# Altium PCB Computer_Board_Mockup.PcbDoc (part 2 of 5) (continued)
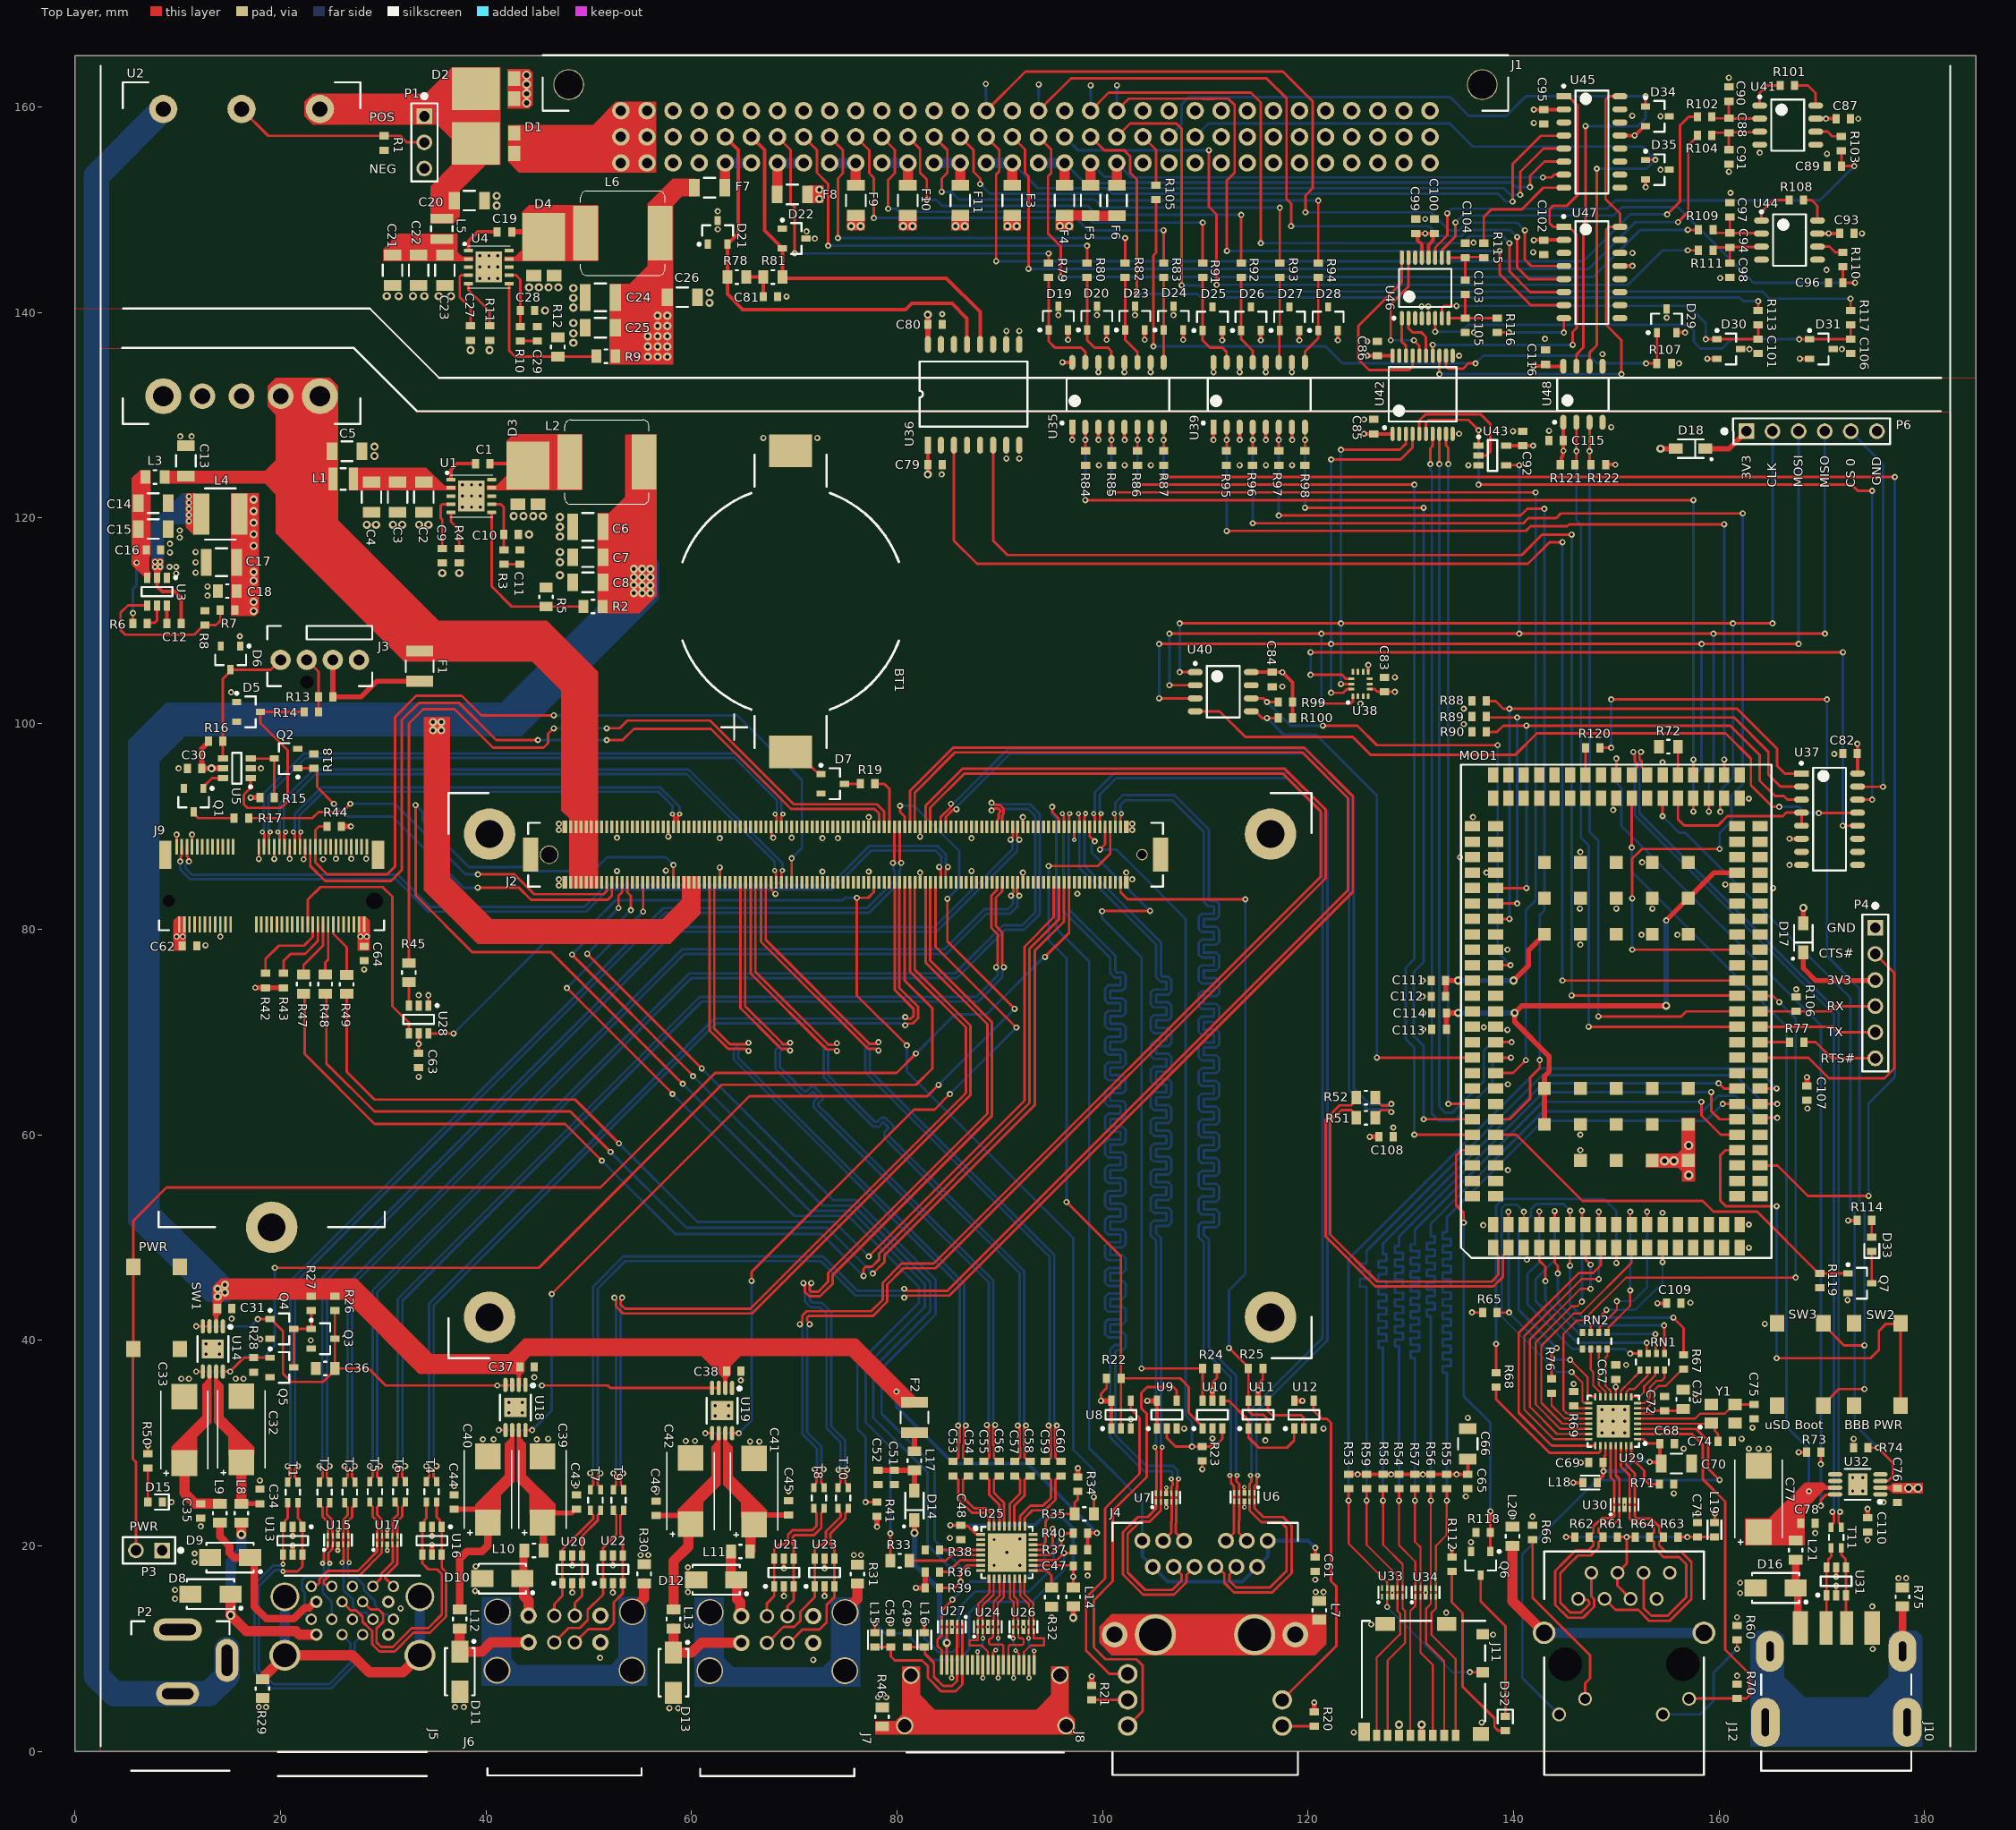
[diagram p0: Top Layer view]
## Part data (continued)
R61 R62 R63 R64: library part RES-00705, "RES SMD 49.9 OHM 1% 1/10W 0603", Manufacturer=Yageo, Manufacturer PN=RC0603FR-0749R9L, Power Rating=1/10W, Resistance=49.9, Tolerance=1%, Cost=0.1, Part Number=RES-00705
R65 R102 R103 R104 R109 R110 R111 R113 R115 R116 R117: library part RES-00284, "RES SMD 1.5K OHM 1% 1/4W 0603", Manufacturer=Panasonic, Manufacturer PN=ERJ-PA3F1501V, Power Rating=0.25W, Resistance=1.5k, Tolerance=1%, Part Number=RES-00284
R78 R81: library part RES-00161, "RES SMD 60.4 OHM 1% 1/8W 0805", Manufacturer="Rohm Semiconductor", Manufacturer PN=KTR10EZPF60R4, Power Rating=0.125W, Resistance=60.4, Tolerance=1%, Part Number=RES-00161
R79 R80 R82 R83 R91 R92 R93 R94 R101 R108 R112 R114: library part RES-00236, "RES SMD 470 OHM 1% 1/4W 0603", Manufacturer=Panasonic, Manufacturer PN=ERJ-PA3F4700V, Power Rating=0.25W, Resistance=470, Tolerance=1%, Part Number=RES-00236
RN1 RN2: library part RES-00722, "RES ARRAY 4 RES 100 OHM 5% 62.5mW 1206", Manufacturer=Panasonic, Manufacturer PN=EXB-38V101JV, Power Rating=1/16W, Resistance=100, Tolerance=5%, Cost=0.1, Part Number=RES-00722
SW1 SW2 SW3: library part MISC-00042, "Switch, SPST-NO, Tactile, 6.3x6.0mm, SMD, 50mA 24VDC", Manufacturer=Omron, Manufacturer PN=B3FS-1012P, Cost=0.71, Part Number=MISC-00042
T1 T2 T3 T4 T5 T6 T7 T8 T9 T10 T11: library part MAG-00121, "CMC, 330mA 2-CH 90 OHM @ 100MHz SMD", Manufacturer=Murata, Test Freq=100MHz, Cost=0.53, DCR=350mOhm, Impedance=90, Manufacturer PN=DLW21HN900SQ2L, Part Number=MAG-00121
U1 U4: library part PWREG-00033, "REG, SW Buck Adj, 5A, 4.5-60V, 2.5MHz, TPS54561", Frequency=100kHz-2.5MHz, Manufacturer=TI, Manufacturer PN=TPS54561DPRR, Max Current=5A, Voltage Range In=4.5-60V, Voltage Range Out=0.8-58.8V, Cost=5.52, Fixed/Adj=Adj, Part Number=PWREG-00033, Reg Type="SW Buck"
U2: library part PWREG-00058, "Module, Isolated, 1/16 Brick, 12V 4.5A (54W) Negative Logic", Manufacturer=Murata, Max Current=4.5A, Voltage Range In="18 ~ 75V", Voltage Range Out=12V, Cost=32, Fixed/Adj=Fixed, Manufacturer PN=UWS-12/4.5-Q48N-C, Part Number=PWREG-00058, Reg Type="Isolated Module"
U3: library part PWREG-00040, "REG, Synchronous Buck, 2A, 4.5-17V Input, SOT-23-6, TPS562201", Frequency=580kHz, Manufacturer=TI, Manufacturer PN=TPS562201DDCR, Max Current=2A, Voltage Range In="4.5 - 17V", Voltage Range Out="0.76 - 7V", Cost=0.68, Fixed/Adj=Adj, Part Number=PWREG-00040, Reg Type="SW Buck"
U5: library part LOGIC-00001, "Inverter, Dual, sot-23-6, SN74LVC2G04", Manufacturer=TI, Manufacturer PN=SN74LVC2G04, Part Number=LOGIC-00001
U6 U7 U15 U17 U24 U26 U27 U30 U33 U34: library part DIO-00068, "TVS, 4-Ch, ESD Protec, 3.6V 8.8V 10-USON", Current Rating=2A, Manufacturer=TI, Power Rating=17W, Cost=0.56, Manufacturer PN=TPD4E02B04DQAR, Part Number=DIO-00068, Type=TVS
U8 U9 U12: library part LOGIC-00040, "IC, Tri-State Buffer Non-Inverting, Single, 1.65-5.5V, SOT-23-5", Manufacturer=TI, Cost=$0.32, Manufacturer PN=SN74LVC1G126DBVR, Part Number=LOGIC-00040
U10: library part LOGIC-00038, "IC, NAND, Single 3-Input, 1.65-5.5V, SOT-23-6", Manufacturer=TI, Cost=$0.37, Manufacturer PN=SN74LVC1G10DBVR, Part Number=LOGIC-00038
U11 U28: library part LOGIC-00042, "IC, AND Gate, Single 3-Input, 1.65-5.5V, SOT-23-6", Manufacturer=TI, Cost=$0.37, Manufacturer PN=SN74LVC1G11DBVR, Part Number=LOGIC-00042
U13 U16 U20 U21 U22 U23 U31: library part DIO-00069, "ESD Protec, 2-Ch, 2.5pF, 17V clamping voltage, SOT23-6", Current Rating=5A, Forward Voltage=1.1V, Manufacturer=ST, Reverse Breakdown Voltage=6V, Cost=0.73, Manufacturer PN=USBLC6-2SC6Y, Part Number=DIO-00069, Type=TVS
U14 U18 U19 U32: library part PWREG-00052, "IC, Power Switch 1:2, 8-MSOP", Manufacturer=TI, Max Current=1A, Voltage Range In="2.7 ~ 5.5V", Cost=1.56, Manufacturer PN=TPS2066DGNR, Part Number=PWREG-00052, Reg Type="Power Switch", Voltage Range Out="2.7 ~ 5.5V"
U25: library part IFACE-00026, "IC, Video Level Shifter, HDMI v1.4b, 32-HVQFN, PTN3366", Manufacturer=NXP, Cost=0.94, Manufacturer PN=PTN3366BSMP, Part Number=IFACE-00026
U29: library part IFACE-00025, "IC, 10/100 Ethernet Transceiver", Manufacturer=Microchip, Cost=1.56, Manufacturer PN=LAN8710AI-EZK-TR, Part Number=IFACE-00025
U35 U39: library part IFACE-00012, "Opto-Coupler Array, Photo-Transistor Output, TLP291-4", Manufacturer=Toshiba, Manufacturer PN=TLP291-4, Part Number=IFACE-00012
U36: library part IFACE-00009, "Isolated CANbus Transceiver, Single channel, ADM3050E", Manufacturer="Analog Devices", Cost=9.62, Manufacturer PN=ADM3050EBRWZ, Part Number=IFACE-00009
U37: library part LOGIC-00035, "IC, 3:8 Decoder/Demux, SOIC-16, 2V-6V", Manufacturer=TI, Manufacturer PN=SN74HC138DR, Cost=$0.37, Part Number=LOGIC-00035
U38: library part MISC-00012, "Accel & Gyro, 3-Axis, SPI/I2C", Manufacturer=STM, Cost=3, Manufacturer PN=LSM6DS3TR, Part Number=MISC-00012
U40: library part ANLG-00048, "IC, 0.5°C Accurate 16-bit Digital SPI Temperature Sensor, SOIC-8, ADT7310", Manufacturer="Analog Devices", Manufacturer PN=ADT7310TRZ, Cost=3.93, Part Number=ANLG-00048
U41 U44: library part ANLG-00071, "IC, Instrumentation Amp, Single, 4.6 ~ 36V supply, SOIC-8", Manufacturer="Linear Technology", Cost=7.61, Manufacturer PN=LT1920CS8#PBF, Part Number=ANLG-00071
U42: library part IFACE-00029, "Digital Isolator, SPI-bus optomized, ADuM3151", Manufacturer="Analog Devices", Cost=6.69, Manufacturer PN=ADuM3153BRSZ, Part Number=IFACE-00029
U43: library part LOGIC-00027, "Tri-State Buffer, Single, 2-5.5V, SOT-23-5, SN74AHC1G125", Manufacturer=TI, Manufacturer PN=SN74AHC1G125DBVR, Cost=$0.33, Part Number=LOGIC-00027
U45 U47: library part ANLG-00072, "Analog Mux, 8:1, 5 ~ 36V, SOIC-16", Manufacturer=Vishay, Cost=1.77, Manufacturer PN=DG408DY, Part Number=ANLG-00072
U46: library part ANLG-00073, "IC, ADC 24-bit 4-Channel MUX-PGA, Sigma-Delta, 2k SPS, 16-TSSOP", Manufacturer=TI, Cost=8.27, Manufacturer PN=ADS1220IPWR, Part Number=ANLG-00073
U48: library part IFACE-00030, "IC, Bidirectional I2C Isolator, 2500 Vrms, Low Power, SOIC-8", Manufacturer=TI, Cost=4.05, Manufacturer PN=ISO1541DR, Part Number=IFACE-00030
Y1: library part OSC-00005, "XTAL, 25MHz, 20pF, 20ppm", Frequency=25M, Load Capacitance=20pF, Manufacturer="ECS Inc.", Manufacturer PN=ECS-250-20-33-JTN-TR, Tolerance=20ppm, Cost=0.56, ESR=40, Part Number=OSC-00005, Stability=20ppm

## Free pads (board coordinates)
  round 5 hole 2.7: 0(19.15,51) 0(40.35,89.25) 0(40.35,42.25) 0(116.35,42.25) 0(116.35,89.25)

## Via types
v1: diameter 0.6, hole 0.3, Top Layer to Bottom Layer, tented both sides, 775 vias
v2: diameter 0.8, hole 0.4, Top Layer to Bottom Layer, tented both sides, 113 vias
v3: diameter 0.5, hole 0.2, Top Layer to Bottom Layer, tented both sides, 38 vias
v4: diameter 0.6, hole 0.3, Top Layer to Bottom Layer, 22 vias
v5: diameter 0.45, hole 0.2, Top Layer to Bottom Layer, tented both sides, 16 vias
v6: diameter 0.9, hole 0.5, Top Layer to Bottom Layer, tented both sides, 12 vias
v7: diameter 0.5, hole 0.25, Top Layer to Bottom Layer, tented both sides, 5 vias
v8: diameter 0.45, hole 0.25, Top Layer to Bottom Layer, tented both sides, 3 vias

## Nets (pads, with @x,y where several pads share a name; then routed paths per layer and width w, separated by ;. In a path a pad name is that pad's centre, name@x,y a point inside that pad or via, vN(x,y) a via of type N, cw(c..) or ccw(c..) an arc to the next point about the centre after c; other vN are vias at no path point)
3V3_PHY: C68.1 C69.1 C70.1 L18.2 U29.1 U29.27 | length 14.1
  Top Layer w0.25: C69.1@148.75,28.1 148.865,28.215 148.865,28.765 148.95,28.85 U29.27@148.95,29.75 ; U29.1@152.075,30.375 152.625,30.375 153.05,29.95 C68.1@154.25,29.95
  Top Layer w0.35: L18.2@148.15,26.15 148.15,26.25 148.723,26.823 148.723,27.223 v1(148.75,27.25) C69.1@148.75,28.1 ; v1(153.25,28.15) 154.225,28.15 154.25,28.125 C70.1@154.375,28 ; C70.1@154.25,28.175 C68.1@154.25,29.95
  Bottom Layer w0.35: v1(148.75,27.25) 150.65,27.25 151.6,28.2 v1@153.25,28.2
3V3A: C111.2 C112.2 MOD1.G1 | length 13.9
  Top Layer w0.5: C112.2@133.4,73.45 C111.2@133.4,75 v2@134.6,75 ; v2(140,75) 141.45,76.45 141.45,77.95 MOD1.G1@143,79.5
  Bottom Layer w0.5: v2@134.6,75 v2(140,75)
  other v2: 134.6,75
3V3B: C113.2 C114.2 MOD1.81 MOD1.B1 MOD1.C1 MOD1.H5 | length 52.8
  Top Layer w0.5: C113.2@133.45,70.25 C114.2@133.45,71.85 v2(134.6,71.85) ; MOD1.B1@143,61 MOD1.C1@143,64.5 143,65.7 143.45,66.15 143.45,67.65 140.1,71 v2(140.1,71.85) 140.8,72.55 v2(154.85,72.55) ; v1(154.85,80.85) 159.5,85.5 MOD1.81@161.75,85.5
  Bottom Layer w0.5: v2(134.6,71.85) v2(140.1,71.85) ; v2(154.85,72.55) v1(154.85,80.85)
5V_A: F7.2 J1.C5 J1.C6 | length 5
  Top Layer w1: F7.2@63.25,152.15 63.27,152.17 63.27,154.54 J1.C5@63.29,154.56
  Bottom Layer w1: J1.C5@63.29,154.56 J1.C6@65.83,154.56
5V_B: F8.2 J1.C7 J1.C8 | length 5.1
  Top Layer w1: F8.2@68.35,152.05 68.36,152.06 68.36,154.55 J1.C7@68.37,154.56
  Bottom Layer w1: J1.C7@68.37,154.56 J1.C8@70.91,154.56
5V_C: F9.2 J1.C9 J1.C10 | length 4.7
  Top Layer w1: J1.C10@75.99,154.56 75.995,154.555 75.995,152.405 F9.2@76,152.4
  Bottom Layer w1: J1.C9@73.45,154.56 J1.C10@75.99,154.56
5V_D: F10.2 J1.C11 J1.C12 | length 4.7
  Top Layer w1: F10.2@81.05,152.4 81.06,152.41 81.06,154.55 J1.C12@81.07,154.56
  Bottom Layer w1: J1.C11@78.53,154.56 J1.C12@81.07,154.56
5V_E: F11.2 J1.C13 J1.C14 | length 4.7
  Top Layer w1: F11.2@86.15,152.4 J1.C14@86.15,154.56
  Bottom Layer w1: J1.C13@83.61,154.56 J1.C14@86.15,154.56
+3.3: C17.1 C18.1 C30.1 C62.2 C63.2 C64.1 C65.2 C66.1 C67.1 C79.2 C82.2 C83.2 C84.2 C85.2 C92.2 C107.2 C108.2 C109.2 C110.2 C115.1 D17.2 D18.2 J9.2 J9.4 J9.72 J9.74 J11.4 L4.2 L14.2 L18.1 L19.2 R7.1 R15.2 R16.1 R20.1 R21.1 R22.1 R23.1 R24.1 R25.1 R34.1 R36.1 R39.1 R41.1 R42.1 R43.1 R44.1 R50.2 R53.2 R54.2 R55.2 R56.2 R57.2 R58.2 R59.2 R65.1 R73.2 R99.1 R100.1 R112.2 R114.2 R121.1 R122.1 U5.5 U8.1 U8.5 U9.1 U9.5 U10.5 U11.5 U12.5 U13.5 U16.5 U20.5 U21.5 U22.5 U23.5 U28.1 U28.5 U29.12 U31.5 U35.1 U35.3 U35.5 U35.7 U36.1 U37.6 U37.16 U38.5 U38.8 U39.1 U39.3 U39.5 U39.7 U40.8 U42.1 U43.5 U48.1 | length 111.3
  Top Layer w0.25: R50.2@7.1,28.95 v1(7.1,29.75) ; C63.2@33.45,67.925 v1(33.45,68.825) U28.5@33.45,69.875 ; U28.1@34.4,72.575 v1(34.4,73.575) ; v1(48.4,18.1) U20.5@48.4,19.05 ; v1(52.35,18.1) U22.5@52.35,19.05 ; v1(69,17.8) U21.5@69,18.75 ; v1(72.95,17.8) U23.5@72.95,18.75 ; v1(99.85,34.1) 99.85,34.8 100.4,35.35 R22.1@100.4,36.3 ; v1(109.7,27.45) R23.1@109.7,28.25 ; v1(110.7,35.1) 110.7,35.9 111.15,36.35 R24.1@111.15,37.25 ; v1(115.15,35.15) 115.217,35.217 115.217,35.817 115.6,36.2 R25.1@115.6,37.25 ; U38.8@125.861,105.03 v1(125.861,105.7) ; U38.5@126.011,103.35 126.5,103.35 126.75,103.1 C83.2@127.45,103.1 v1(128.45,103.1) ; v1(135.95,42.7) R65.1@137,42.7 ; U29.12@149.95,34.5 v1(149.95,35.45) C67.1@149.95,36.2 ; L19.2@159.55,22.25 159.6,22.3 v1(159.6,23.15)
  Top Layer w0.35: v2(83,124.25) 83.003,124.253 83.003,127.098 U36.1@83.005,127.1 ; v1(97.05,127.6) 97.052,127.602 97.052,128.847 U35.1@97.055,128.85 ; U35.3@99.595,128.85 99.597,128.848 99.597,127.602 v1(99.6,127.6) ; U8.1@100.85,31.4 U8.5@100.85,34.1 ; U35.5@102.135,128.85 102.142,128.843 102.142,127.607 v1(102.15,127.6) ; U35.7@104.675,128.85 104.687,128.838 104.687,127.612 v1(104.7,127.6) ; U9.1@105.3,31.4 U9.5@105.3,34.1 ; v1(110.803,127.603) 110.805,127.605 U39.1@110.805,128.85 U39.1@110.808,128.853 ; U39.3@113.348,128.853 113.35,128.85 113.35,127.605 v1(113.353,127.603) ; U40.8@114.475,105.005 114.478,105.003 117.498,105.003 v1(117.5,105) 118.5,104 R99.1@118.5,102.1 R100.1@118.5,100.55 ; U39.5@115.888,128.853 115.895,128.845 115.895,127.61 v1(115.903,127.603) ; U39.7@118.428,128.853 118.44,128.84 118.44,127.615 v1(118.453,127.603) ; R53.2@123.95,26.95 R59.2@125.7,26.95 ; v1(125.45,128.2) C85.2@126.4,128.2 U42.1@128.225,128.2 ; R59.2@125.65,26.9 R59.2@125.7,26.95 ; R112.2@134,18.9 v1(134,19.75) ; C66.1@135.55,28.45 C65.2@135.55,26.95 v1(134.45,26.95) R55.2@133.5,26.95 R56.2@131.95,26.95 R57.2@130.4,26.95 R54.2@128.85,26.95 R58.2@127.3,26.95 R59.2@125.7,26.95 ; U43.5@139.299,127.05 v1(141.9,127.05) ; R121.1@144.55,125.2 144.65,125.3 144.65,125.9 144.802,126.052 144.802,126.502 v1(144.85,126.55) 144.848,126.553 144.848,129.322 U48.1@144.845,129.325 ; v1(145.812,26.137) L18.1@146.512,26.137 ; R122.1@148.95,125.2 v1(149.9,125.2) ; v1(154,43.6) C109.2@154.9,43.6 ; v1(166.85,88.8) 166.853,88.797 168.022,88.797 U37.6@168.025,88.795 ; v1(167.75,29.1) R73.2@168.5,29.1 ; v1(171.4,17) U31.5@171.4,17.9 ; v1(172.55,51.65) R114.2@173.45,51.65 ; v1(173.45,98.05) 173.462,98.038 173.462,95.158 U37.16@173.475,95.145
  Top Layer w0.5: R16.1@13,98.3 13,98.2 12.35,97.55 C30.1@12.35,95.65 v2(13.3,95.65) U5.5@14.4,95.65 ; v1(17.1,92.8) R15.2@18,92.8 ; v1(17.55,74.3) R42.1@18.55,74.3 R43.1@20.3,74.3 ; U13.5@21.2,19.15 v1(21.2,20.05) ; R44.1@25.95,90 v1(26.85,90) ; U16.5@34.75,19.15 v1(34.75,20.1) ; v1(78.05,21.85) R41.1@78.05,22.85 ; v1(81.85,15.9) R39.1@82.75,15.9 R36.1@82.75,17.45 ; v2(97.15,13) L14.2@97.15,14.1 ; R34.1@97.6,26.7 v1(97.6,27.55) ; R21.1@98.95,6.4 v1(98.95,7.3) ; v1(99.85,34.1) U8.5@100.85,34.1 ; v1(104.35,34.1) U9.5@105.3,34.1 ; U10.5@110.7,34.1 v1(110.7,35.1) ; U11.5@115.15,34.1 v1(115.15,35.15) ; U12.5@118.65,34.1 v1(119.45,34.1) ; R20.1@120.6,3.85 v1(120.6,4.75) ; v1(126,59.8) C108.2@126.9,59.8 ; J11.4@131.05,1.55 v2(131.05,2.6) ; v2(154.3,126.75) D18.2@155.8,126.75 ; D17.2@168.2,80.575 v2(168.2,82.075) ; C107.2@168.55,64.75 v1(168.55,65.6) ; C110.2@174.45,22.75 v1(174.45,23.6)
  other v1: 124.825,26.95 128.075,26.95 131.175,26.95 9.9,79.275 10.5,79.275 27.8,79.275 28.4,79.275
  other v2: 17.4,110.95 17.4,111.85 17.4,113.9 17.4,114.75 17.4,117.3 17.4,118.425 17.4,119.55 17.4,120.675 17.4,121.8
+5: C24.1 C25.1 C26.1 C80.1 C86.2 C87.2 C93.2 C95.2 C99.1 C100.1 C102.2 C116.2 D19.2 D20.2 D23.2 D24.2 D25.2 D26.2 D27.2 D28.2 D29.2 D30.2 D31.2 D34.2 D35.2 F3.2 F4.2 F5.2 F6.2 F7.1 F8.1 F9.1 F10.1 F11.1 L6.2 R9.1 U35.10 U35.12 U35.14 U35.16 U36.16 U39.10 U39.12 U39.14 U39.16 U41.7 U42.20 U44.7 U45.2 U45.13 U46.12 U46.13 U47.2 U47.13 U48.8 | length 53.4
  Top Layer w0.35: v1(96.105,135.15) U35.16@97.055,135.15 ; v1(96.65,137.35) D19.2@96.65,138.3 ; v1(99.595,134.2) U35.14@99.595,135.15 ; v1(100.4,137.35) D20.2@100.4,138.3 ; v1(102.135,134.2) U35.12@102.135,135.15 ; v1(104.1,137.35) D23.2@104.1,138.3 ; v1(104.675,134.2) U35.10@104.675,135.15 ; v1(107.85,137.35) D24.2@107.85,138.3 ; v1(110.805,134.2) U39.16@110.805,135.15 ; v1(111.65,137.3) D25.2@111.65,138.25 ; v1(113.345,134.2) U39.14@113.345,135.15 ; v1(115.4,137.3) D26.2@115.4,138.25 ; v1(115.885,134.2) U39.12@115.885,135.15 ; v1(118.425,134.2) U39.10@118.425,135.15 ; v1(119.15,137.3) D27.2@119.15,138.25 ; v1(122.9,137.3) D28.2@122.9,138.25 ; v1(125.75,135.8) C86.2@126.75,135.8 U42.20@128.225,135.8 ; U46.13@131.075,145.35 131.075,146.625 130.66,147.04 130.66,147.54 C99.1@130.5,147.7 v1(131.4,147.7) C100.1@132.3,147.7 132.18,147.58 132.18,147.03 131.725,146.575 U46.12@131.725,145.35 ; v1(141.948,134.798) 142.948,134.798 C116.2@143.1,134.95 143.275,134.775 U48.8@144.845,134.775 ; v1(141.976,147.045) 141.988,147.058 144.888,147.058 U47.2@144.9,147.07 ; v1(141.976,159.745) 141.988,159.758 144.888,159.758 U45.2@144.901,159.77 ; U47.13@150.35,144.53 151.56,144.53 v1(151.567,144.538) ; U45.13@150.351,157.23 v1(151.78,157.23) 152.575,158.025 152.7,158.15 D34.2@152.85,158.15 ; v1(152.85,152.2) D35.2@152.85,152.95 ; D29.2@155.85,138.05 v1(156.7,138.05) ; v1(158.85,135.5) D30.2@159.8,135.5 ; v1(167.85,135.5) D31.2@168.8,135.5 ; U41.7@169.4,158.87 169.41,158.86 v1(170.4,158.86) 171.39,158.86 C87.2@171.4,158.85 ; U44.7@169.575,147.685 169.582,147.692 v1(170.662,147.692) 171.742,147.692 C93.2@171.75,147.7
  Top Layer w0.5: v2(83,139.8) 83.003,139.797 83.003,136.902 U36.16@83.005,136.9
  Top Layer w1: F4.2@96.3,149.45 96.312,149.438 98.838,149.438 F5.2@98.85,149.425 101.375,149.425 101.388,149.438 F6.2@101.4,149.425
  other v2: 55.75,135.7 56.7,135.7 57.65,135.7 55.75,136.7 56.7,136.7 57.65,136.7 55.75,137.7 56.7,137.7 57.65,137.7 56.7,138.7 57.65,138.7 56.7,139.7 57.65,139.7 75.55,148.4 76.45,148.4 80.6,148.4 81.5,148.4 85.7,148.4 86.6,148.4 90.75,148.4 91.65,148.4 95.85,148.4 96.75,148.4 72.45,151.05 72.45,151.95
+5_SBY: C6.1 C7.1 C8.1 C31.2 C37.2 C38.2 C76.1 F2.2 J2.B84 J2.B85 J2.B86 J2.B87 L2.2 MOD1.A4 MOD1.A5 MOD1.B5 R2.1 R26.1 R27.1 R37.1 R40.1 U14.2 U18.2 U19.2 U32.2 | length 28.6
  Top Layer w0.35: R37.1@98.55,19.625 R40.1@98.55,21.225 98.563,21.238 99.437,21.238 v1(99.45,21.25)
  Bottom Layer w0.35: v1(79.95,35) 79.95,33.55 85.5,28 92.7,28 v1(99.45,21.25)
  other v2: 13.9,44.25 14.6,44.65 13.9,45 14.6,45.4 34.85,99.35 35.65,99.35 34.85,100.15 35.65,100.15 54.4,112.7 55.2,112.7 56,112.7 55.2,113.45 56,113.45 54.4,113.5 54.4,114.25 55.2,114.25 56,114.25 54.4,115.05 55.2,115.05 56,115.05
  other v6: 178.45,25.6 179.35,25.6 157.05,56.05 154.7,57.45 155.6,57.45 157.05,58.95
+12: C5.1 C13.1 F1.2 J2.A104 J2.A105 J2.A106 J2.A107 J2.A108 J2.A109 J2.B104 J2.B105 J2.B106 J2.B107 J2.B108 J2.B109 L1.1 L3.1 U2.7 U2.8
+24V: C20.1 D1.3 D2.3 L5.1 P1.1 U2.1
+VIN: D1.1 D1.2 J1.A1 J1.A2 J1.B1 J1.B2 J1.C1 J1.C2
ADC_1_C\S\: U37.14 U42.6 U43.1 | length 83.5
  Top Layer w0.25: U42.6@131.475,128.2 131.475,129.225 131.8,129.55 135.6,129.55 v1(136.599,128.551) U43.1@136.599,127.05 ; v1(136.599,123.25) 172.9,123.25 173.5,122.65 v1(174.895,122.65) ; U37.14@173.475,92.605 v1(174.895,92.605) v1@174.9,92.6
  Top Layer w0.35: U37.14@173.475,92.605 U37.14@173.477,92.602
  Bottom Layer w0.25: v1(136.599,123.25) v1(136.599,128.551) ; v1(174.895,92.605) v1(174.895,122.65)
ADC_CS_5V: U42.15 U46.2 | length 4.9
  Top Layer w0.25: U46.2@129.775,139.45 129.776,139.449 129.776,138.474 130.2,138.05 131.05,138.05 131.475,137.625 U42.15@131.475,135.8
AFE_MUX_0: MOD1.159 U42.7 | length 79.5
  Top Layer w0.25: v1(131.9,125.25) 131.9,126.8 132.125,127.025 U42.7@132.125,128.2 ; MOD1.159@138.25,67.5 v1(139.75,67.5)
  Bottom Layer w0.25: v1(131.9,125.25) 131.9,124.65 132.05,124.5 132.05,62.05 132.75,61.35 134.25,61.35 137.95,65.05 137.95,67 138.45,67.5 v1(139.75,67.5)
AFE_MUX_0_5V: U42.14 U45.1 U47.1 | length 43.8
  Top Layer w0.25: U42.14@132.125,135.8 132.131,135.806 v1(132.131,136.869) ; U45.1@144.901,161.04 145.326,161.04 146.25,160.116 146.25,151.45 145.2,150.4 143.85,150.4 143.5,150.05 143.5,148.7 143.86,148.34 U47.1@144.9,148.34 145.075,148.165 145.585,148.165 146.15,147.6 146.15,138.5 145.75,138.1 v1(145.75,136.85)
  Bottom Layer w0.25: v1(132.131,136.869) 132.15,136.85 v1(145.75,136.85)
AFE_MUX_1: MOD1.158 U42.8 | length 78.9
  Top Layer w0.25: v1(132.775,125.25) U42.8@132.775,128.2 ; MOD1.158@138.25,69 v1(139.8,69)
  Bottom Layer w0.25: v1(132.775,125.25) 132.775,62.725 133.35,62.15 134.05,62.15 137.1,65.2 137.1,68.2 137.9,69 v1(139.8,69)
AFE_MUX_1_5V: U42.13 U45.16 U47.16 | length 50.2
  Top Layer w0.25: v1(132.775,134) U42.13@132.775,135.8 ; U45.16@150.351,161.04 150.341,161.05 149.3,161.05 148.95,160.7 148.95,151.05 150.35,149.65 U47.16@150.35,148.34 149.29,148.34 149,148.05 149,138.8 150.5,137.3 v1(150.5,134)
  Bottom Layer w0.25: v1(132.775,134) v1(150.5,134)
BBB_ETH_SHLD: J12.13 L20.2 | length 25.3
  Top Layer w1: L20.2@139.9,20 139.9,14.61 J12.13@142.975,11.535
  Bottom Layer w1: J12.13@142.975,11.535 J12.13@158.525,11.535
BBB_I2C_SCL: MOD1.72 R122.2 U48.3 | length 73.3
  Top Layer w0.25: U48.3@147.385,129.325 147.385,125.365 R122.2@147.55,125.2 ; v1(148.25,71.5) 156.3,71.5 156.8,72 MOD1.72@161.75,72
  Bottom Layer w0.25: v1(147.385,126.515) 147.385,89.465 148.25,88.6 v1(148.25,71.5)
BBB_I2C_SDA: MOD1.71 R121.2 U48.2 | length 75.1
  Top Layer w0.25: R121.2@145.95,125.2 146.115,125.365 U48.2@146.115,129.325 ; v1(147.3,70.5) MOD1.71@161.75,70.5
  Bottom Layer w0.25: v1(146.115,126.515) 146.115,119.835 146.55,119.4 146.55,88.9 147.3,88.15 v1(147.3,70.5)
BBB_PWR_BTN: MOD1.63 SW2.1 SW2.2 | length 49.2
  Top Layer w0.25: MOD1.63@161.75,58.5 160.65,58.5 160.1,57.95 160.1,53.6 160.65,53.05 v1(165.6,53.05) ; v1(165.6,38.25) 174.75,38.25 175.55,39.05 175.55,40.9 176.25,41.6 177.65,41.6 SW2.1@177.65,41.65 ; SW2.2@177.65,33.65 SW2.1@177.65,41.55
  Bottom Layer w0.25: v1(165.6,38.25) v1(165.6,53.05)
BBB_RX_N: J12.6 R64.2 U29.30 U30.4 U30.7 | length 28.1
  Top Layer w0.25: U29.30@150.45,29.75 150.45,27.7 150.9,27.25 151.3,26.85 U30.7@151.3,24.418 U30.4@151.3,23.582 151.3,22.668 151.818,22.15 153.2,22.15 153.675,21.675 153.675,21.321 153.529,21.175 153.475,21.175 153.25,20.95 R64.2@153.25,20.85 153.25,20.75 153.475,20.525 153.529,20.525 153.675,20.379 153.675,19.818 154.593,18.9 156.121,18.9 156.807,18.214 156.807,15.007 155,13.2 153.4,13.2 152.655,13.945 J12.6@152.655,17.375
BBB_RX_P: J12.3 R63.2 U29.31 U30.5 U30.6 | length 29.9
  Top Layer w0.25: J12.3@148.845,14.835 149.93,13.75 152.143,13.75 153.193,12.7 155.207,12.7 157.307,14.8 157.307,18.421 156.328,19.4 154.8,19.4 154.175,20.025 154.175,20.379 154.321,20.525 154.375,20.525 154.6,20.75 R63.2@154.6,20.85 154.6,20.95 154.375,21.175 154.321,21.175 154.175,21.321 154.175,21.882 153.407,22.65 152.025,22.65 151.8,22.875 U30.5@151.8,23.582 U30.6@151.8,24.418 151.8,27.057 150.95,27.907 U29.31@150.95,29.75
BBB_SYS_RSTn: MOD1.48 U29.19 | length 64.4
  Top Layer w0.2: U29.19@147.325,32.875 145.175,32.875 144.85,33.2 144.85,40.6 146.175,41.925 146.775,41.925 150.95,46.1 v1(167.45,46.1)
  Top Layer w0.25: MOD1.48@164,73.5 165.25,73.5 v1(165.85,72.9)
  Bottom Layer w0.25: v1(165.85,72.9) 167.45,71.3 v1(167.45,46.1)
BBB_TX_N: J12.2 R62.2 U29.28 U30.1 U30.10 | length 27.9
  Top Layer w0.25: J12.2@147.575,17.375 147.575,15.074 147.845,14.804 147.845,14.079 146.766,13 145.3,13 144.05,14.25 144.05,17.55 144.943,18.443 146.05,19.55 147.3,19.55 147.775,20.025 147.775,20.379 147.629,20.525 147.575,20.525 147.35,20.75 R62.2@147.35,20.85 147.35,20.95 147.575,21.175 147.629,21.175 147.775,21.321 147.775,21.882 148.593,22.7 149.619,22.7 149.8,22.881 U30.1@149.8,23.582 U30.10@149.8,24.418 149.8,26.293 149.45,26.643 U29.28@149.45,29.75
BBB_TX_P: J12.1 R61.2 U29.29 U30.2 U30.9 | length 24.5
  Top Layer w0.25: J12.1@146.305,14.835 146.396,14.744 147.199,14.744 147.345,14.597 147.345,14.286 146.559,13.5 145.507,13.5 144.55,14.457 144.55,17.343 145.443,18.236 146.257,19.05 147.507,19.05 148.275,19.818 148.275,20.379 148.421,20.525 148.475,20.525 148.7,20.75 R61.2@148.7,20.85 148.7,20.95 148.475,21.175 148.421,21.175 148.275,21.321 148.275,21.675 148.8,22.2 149.826,22.2 150.3,22.674 U30.2@150.3,23.582 U30.9@150.3,24.418 150.3,26.5 149.95,26.85 U29.29@149.95,29.75
BBB_USB1_5V: D16.1 J10.1 L21.2 | length 6.8
  Top Layer w0.75: L21.2@167.45,18.65 D16.1@167.45,15.9 167.675,15.675 167.675,12.225 J10.1@167.9,12
BBB_USB1_D_N: MOD1.92 T11.4 | length 86.4
  Top Layer w0.25: MOD1.92@151.5,95 151.5,95.25 151.875,95.625 151.879,95.625 152.025,95.771 152.025,96.125 151.8,96.35 151.8,97.005 151.65,97.155 v1(151.65,97.25) ; T11.4@170.9,21.8 170.9,22 171.025,22.125 171.029,22.125 171.175,22.271 171.175,23.055 171.025,23.205 v1(171.025,23.3)
  Bottom Layer w0.25: v1(151.65,97.25) 151.65,97.155 151.8,97.005 151.8,91.1 171.175,71.725 171.175,23.545 171.025,23.395 v1(171.025,23.3)
BBB_USB1_D_P: MOD1.91 T11.1 | length 86.4
  Top Layer w0.25: v1(152.4,97.25) 152.4,97.155 152.25,97.005 152.25,96.536 152.475,96.311 152.475,95.771 152.621,95.625 152.625,95.625 153,95.25 MOD1.91@153,95 ; v1(171.775,23.3) 171.775,23.205 171.625,23.055 171.625,22.271 171.771,22.125 171.775,22.125 171.9,22 T11.1@171.9,21.8
  Bottom Layer w0.25: v1(152.4,97.25) 152.4,97.155 152.25,97.005 152.25,91.286 171.625,71.911 171.625,23.545 171.775,23.395 v1(171.775,23.3)
BBB_USB1_EXT_N: J10.2 T11.3 U31.1 U31.6 | length 8
  Top Layer w0.25: J10.2@170.4,12 170.45,12.05 U31.1@170.45,15.2 U31.6@170.45,17.9 170.625,18.075 170.625,18.675 170.9,18.95 T11.3@170.9,19.8
BBB_USB1_EXT_P: J10.3 T11.2 U31.3 U31.4 | length 8
  Top Layer w0.25: T11.2@171.9,19.8 171.9,19.1 172.3,18.7 172.3,17.95 U31.4@172.35,17.9 U31.3@172.35,15.2 172.35,12.05 J10.3@172.4,12
BBB_USB1_VBUS: C77.1 C78.2 L21.1 MOD1.109 U32.7 | length 74.6
  Top Layer w0.25: v1(151.5,87.936) MOD1.109@151.5,92.75
  Bottom Layer w0.25: v1(151.5,87.936) 151.5,85.6 166.55,70.55 166.55,31.6 168.75,29.4 v1(168.75,25.3)
BBB_USB_SHLD: J10.5 R75.2 | length 4.4
  Top Layer w0.75: J10.5@177.85,9.73 R75.2@177.85,14.1
CAN_RX: MOD1.74 U36.3 | length 130
  Top Layer w0.25: U36.3@85.545,127.1 85.545,117.805 87.8,115.55 141.4,115.55 143.5,117.65 v1(144.75,117.65) ; v1(144.75,75) MOD1.74@161.75,75
  Bottom Layer w0.25: v1(144.75,75) v1(144.75,117.65)
CAN_TX: MOD1.73 U36.6 | length 128
  Top Layer w0.25: U36.6@89.355,127.1 89.355,117.795 90.75,116.4 140.8,116.4 142.8,118.4 v1(145.65,118.4) ; v1(145.65,73.55) 161.7,73.55 MOD1.73@161.75,73.5
  Bottom Layer w0.25: v1(145.65,73.55) v1(145.65,118.4)
CANH: D21.2 J1.B5 R78.1 U36.13 | length 43.6
  Top Layer w0.35: J1.B5@63.29,157.1 64.55,155.84 64.55,147.7 D21.2@63.5,146.65 R78.1@63.5,143.45 63.5,141.8 65,140.3 80.85,140.3 81.45,140.9 85.35,140.9 86.815,139.435 U36.13@86.815,136.9
CANL: D22.2 J1.B6 R81.2 U36.12 | length 38.7
  Top Layer w0.35: J1.B6@65.83,157.1 67.1,155.83 67.1,148 D22.2@68.85,146.25 R81.2@68.85,143.45 68.95,143.35 84.8,143.35 88.085,140.065 U36.12@88.085,136.9
CB_RESET#: J2.B50 R35.1 U28.6 | length 119.5
  Top Layer w0.25: U28.6@34.4,69.875 34.431,69.844 36.844,69.844 v1(36.85,69.85) ; J2.B50@77.75,84.55 77.75,83.6 77.2,83.05 v1(76.1,83.05) 76.1,73.55 v1(80.95,68.7) ; R35.1@99.15,23.1 v1(99.15,24.75)
  Bottom Layer w0.25: v1(36.85,69.85) 47.5,80.5 50.3,80.5 52.6,82.8 74.7,82.8 74.95,83.05 v1(76.1,83.05) ; v1(80.95,68.7) 80.95,66.15 97.15,49.95 97.15,29.35 99.15,27.35 v1(99.15,24.75)
CRITICAL_TEMP: MOD1.153 R99.2 U40.6 | length 50.3
  Top Layer w0.25: U40.6@114.475,102.465 115.635,102.465 v1(116,102.1) R99.2@117.1,102.1 ; v1(121.45,99.8) 124.8,99.8 126.7,97.9 v1(138.45,97.9) ; MOD1.153@138.25,76.5 v1(139.7,76.5)
  Bottom Layer w0.25: v1(116,102.1) 118.3,99.8 v1(121.45,99.8) ; v1(138.45,97.9) 138.45,77.75 v1(139.7,76.5)
CRS_DV: MOD1.28 RN2.2 | length 15.9
  Top Layer w0.2: RN2.2@148.3,40.75 148.383,40.833 148.383,41.283 150.05,42.95 v1(150.05,43.8) ; MOD1.28@153,51.25 v1(153,52.5)
  Bottom Layer w0.2: v1(150.05,43.8) 151.65,43.8 153,45.15 v1(153,52.5)
CS_MUX_0: MOD1.150 R88.2 U37.1 | length 56.4
  Top Layer w0.25: R88.2@137.35,102.2 138.25,102.2 139,101.45 v1(139.6,101.45) 161.75,101.45 165.65,97.55 165.65,95.9 166.405,95.145 U37.1@168.025,95.145 ; MOD1.150@138.25,81 v1(139.6,81)
  Bottom Layer w0.25: v1(139.6,81) v1(139.6,101.45)
CS_MUX_1: MOD1.149 R89.2 U37.2 | length 54.9
  Top Layer w0.25: R89.2@137.35,100.6 v1(140.35,100.6) 161.45,100.6 164.8,97.25 164.8,95.05 165.975,93.875 U37.2@168.025,93.875 ; MOD1.149@138.25,82.5 v1(140.35,82.5)
  Bottom Layer w0.25: v1(140.35,82.5) v1(140.35,100.6)
CS_MUX_2: MOD1.148 R90.2 U37.3 | length 54.2
  Top Layer w0.25: R90.2@137.35,99.2 138.4,99.2 139,99.8 v1(141.25,99.8) 161.1,99.8 163.95,96.95 163.95,94.45 165.45,92.95 166.3,92.95 166.645,92.605 U37.3@168.025,92.605 ; MOD1.148@138.25,84 v1(141.25,84)
  Bottom Layer w0.25: v1(141.25,84) v1(141.25,99.8)